# Allegro board PandaX_III_V3.brd (continued)
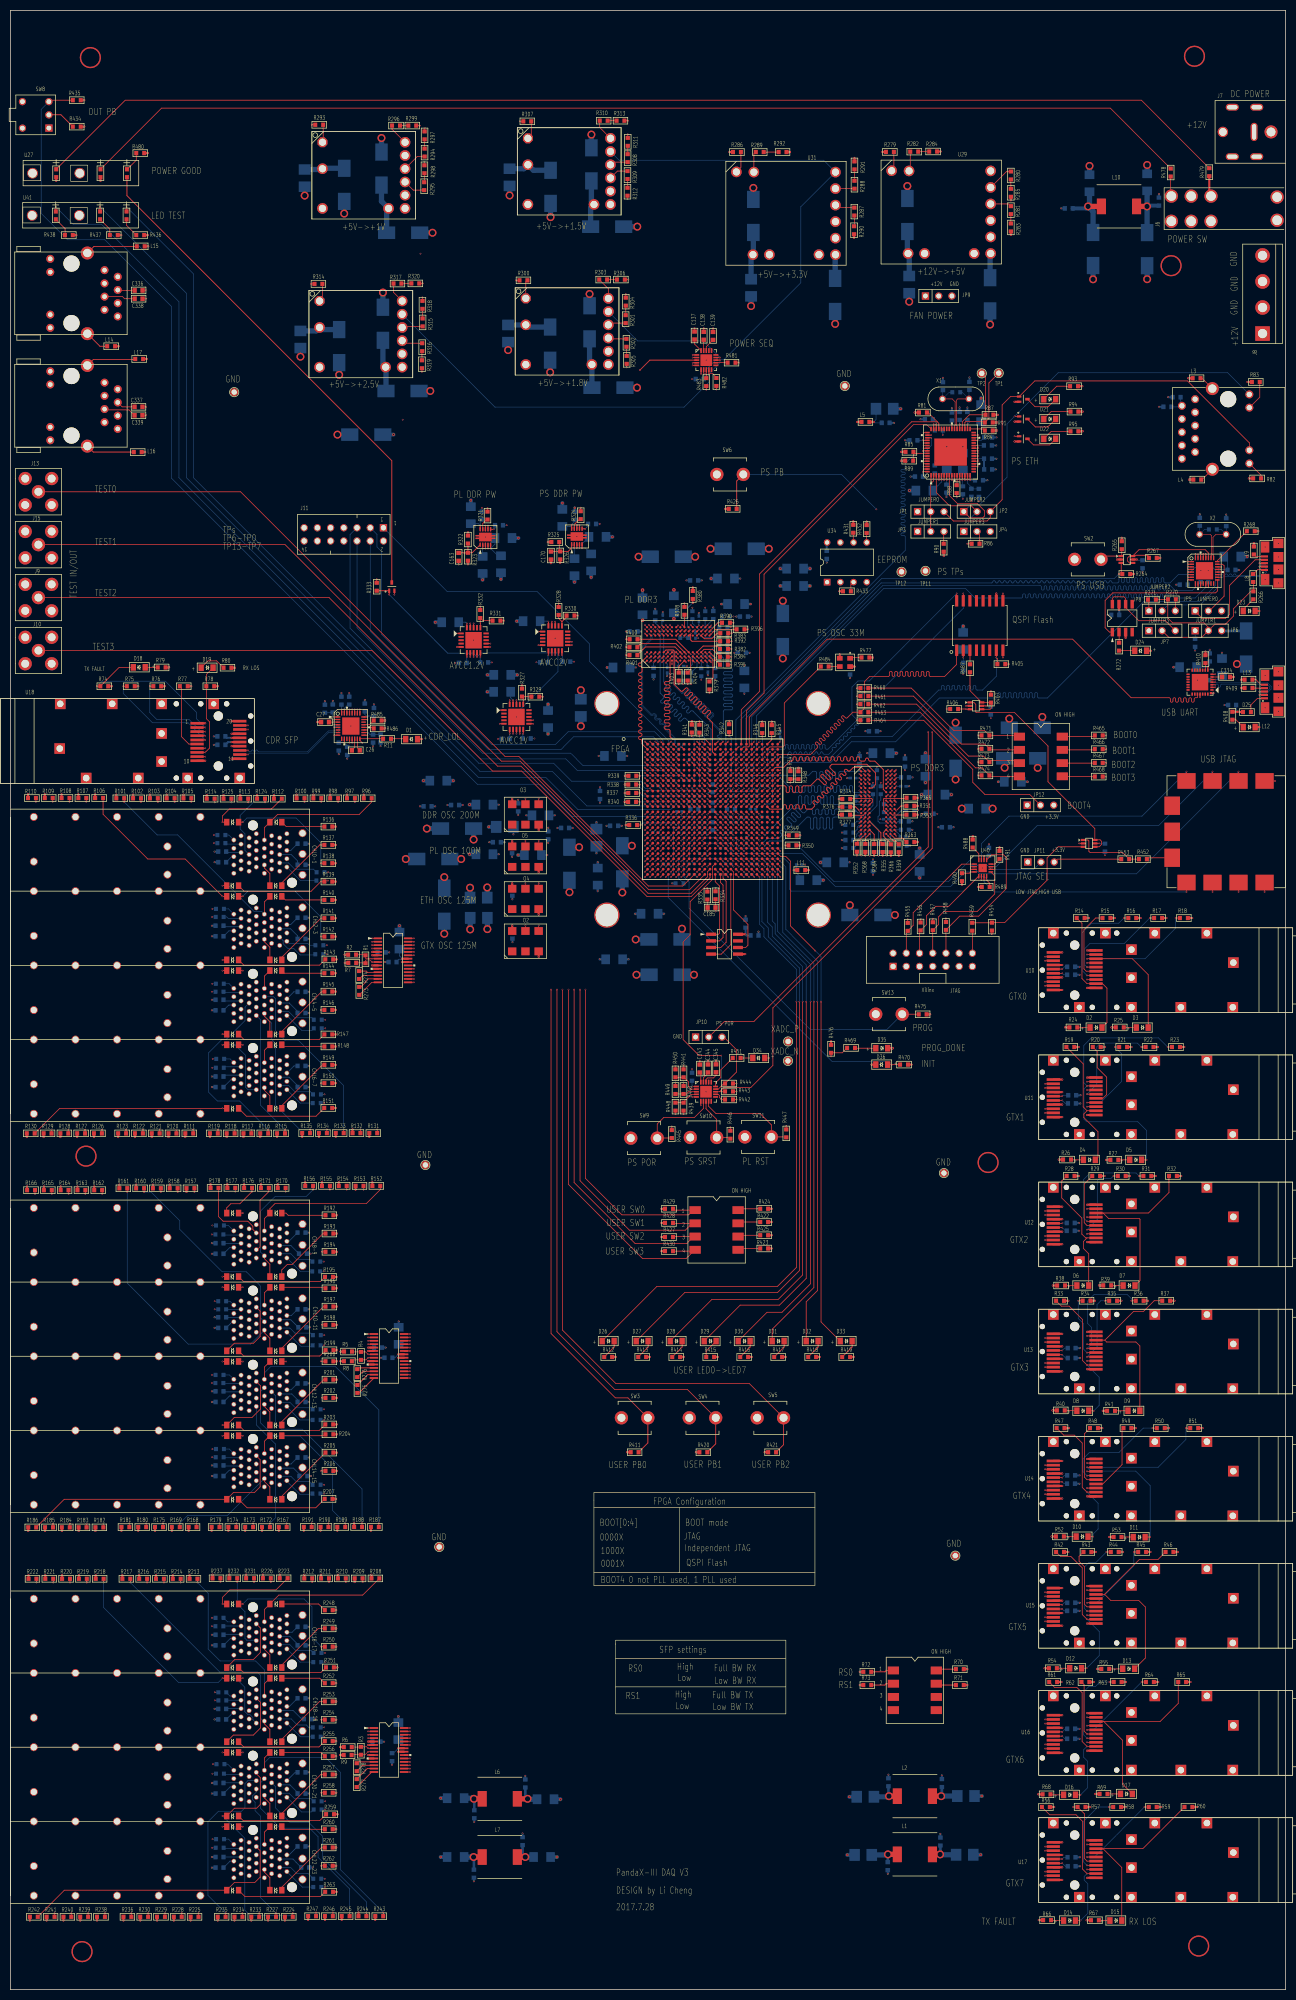
[diagram p0: board, top side]
## Routing (per net, layer and track width the routed paths; a pad name or vN(x,y) marks a point on that pad's centre or on a via; arc(x,y) is an arc through that point) (continued)
N16030430: length 38.1
  TOP w0.127: R183.2 v1(14.63,89.46)
  SIG2 w0.127: v1(14.63,89.46) 20.37,95.2 43.99,95.2 45.11,96.32 45.11,99.36 J4.4L5
N16030458: length 41
  TOP w0.127: R184.2 v1(11.4,89.46)
  SIG1 w0.127: J4.4L4 45.36,99.32 44.91,99.77 43.94,99.77 43.64,99.48 43.64,99.42 43.06,98.83 42.29,98.83 41.12,97.66 19.61,97.66 v1(11.4,89.46)
N16030638: length 37.8
  TOP w0.127: R181.2 v1(22.86,89.51)
  SIG2 w0.127: J4.4T6 49.47,99.04 49.47,98.62 49.51,98.58 49.51,97.82 49.45,97.76 49.45,96.87 49.51,96.81 49.51,90.87 47.37,88.72 23.65,88.72 v1(22.86,89.51)
N16030686: length 29.9
  TOP w0.127: R175.2 v1(29.31,89.51)
  SIG1 w0.127: v1(29.31,89.51) 31.62,91.82 46.79,91.82 49.56,94.59 49.56,96.9 49.26,97.19 49.26,97.55 49.71,97.99 49.71,98.38 49.26,98.83 49.26,99.01 49.56,99.3 49.56,99.88 J4.4T5
N16030694: length 20.8
  TOP w0.127: R168.2 v1(35.76,89.51)
  SIG2 w0.127: J4.4T4 47.97,100.48 47.97,96.73 42.7,91.47 37.82,91.47 35.86,89.51 v1(35.76,89.51)
N16031198: length 38.7
  TOP w0.127: R160.2 v1(25.68,153.14)
  BOTTOM w0.127: J4.2T6 48.08,128.93 48.08,135.05 45.31,137.82 40.69,137.82 32.54,145.97 32.54,147.63 27.03,153.14 v1(25.68,153.14)
N16031306: length 37.7
  TOP w0.127: R158.2 v1(32.13,153.14)
  SIG2 w0.127: v1(32.13,153.14) 34.75,150.52 34.75,140.84 39.85,135.74 47.5,135.74 48.08,135.15 48.08,129.52 48.59,129.02 J4.2T5
N16031322: length 34.5
  TOP w0.127: R159.2 v1(28.91,153.14)
  SIG4 w0.127: J4.2T4 47.98,130.63 47.98,135.15 46.93,136.2 43.08,136.2 36.09,143.18 36.09,145.95 v1(28.91,153.14)
N16031630: length 24.3
  TOP w0.127: R153.2 v1(67.84,153.59)
  SIG1 w0.127: J4.1T5 50.35,143.26 50.9,143.82 50.9,146.56 55.22,150.88 65.13,150.88 v1(67.84,153.59)
N16031646: length 23.3
  TOP w0.127: R154.2 v1(64.62,153.59)
  SIG1 w0.127: v1(64.62,153.59) 63.17,152.15 52.45,152.15 49.25,148.95 49.25,146.23 49.51,145.96 49.51,145.37 49.28,145.13 49.28,144.48 48.86,144.06 J4.1T4
N16032226: length 54.8
  TOP w0.127: R165.2 v1(7.95,152.78)
  SIG4 w0.127: v1(7.95,152.78) 7.95,144.65 19.84,132.77 42.67,132.77 44.11,131.33 44.95,131.33 45.34,130.93 46.31,130.93 47.25,129.99 J4.2L6
N16032274: length 45.8
  TOP w0.127: R163.2 v1(14.4,152.78)
  SIG1 w0.127: J4.2L5 44.59,129.9 44.02,129.9 43.39,130.53 42.24,130.53 41.17,131.6 29.39,131.6 14.4,146.58 v1(14.4,152.78)
N16032282: length 59
  TOP w0.127: R164.2 v1(11.18,152.78)
  SIG1 w0.127: v1(11.18,152.78) 11.18,142.57 26.64,127.1 37.03,127.1 40.23,123.9 46.79,123.9 48.06,125.17 48.06,127.01 J4.2L4
N16032914: length 13.2
  TOP w0.127: R177.2 v1(43.21,153.21)
  SIG2 w0.127: v1(43.21,153.21) 44.7,151.72 45.69,151.72 47.97,149.44 47.97,144.28 47.35,143.67 J4.1L6
N16033014: length 20.3
  TOP w0.127: R170.2 v1(52.88,153.21)
  SIG1 w0.127: J4.1L5 45.03,143.7 45.03,147.14 44.12,148.06 44.12,152.1 45.72,153.7 52.4,153.7 v1(52.88,153.21)
N16033022: length 13
  TOP w0.127: J4.1L4 47.42,142.07 47.97,142.61 47.97,151.52 49.66,153.21 R171.2
N16033206: length 35
  TOP w0.127: R190.2 v1(61.11,89.54)
  SIG4 w0.127: J4.3T6 50.53,113.97 50.9,113.59 50.9,97.02 50.88,96.99 50.88,93.5 52.68,91.7 58.95,91.7 v1(61.11,89.54)
N16033254: length 35.5
  TOP w0.127: R188.2 v1(67.56,89.54)
  BOTTOM w0.127: J4.3T5 50.95,114 50.95,108.74 52.1,107.6 56.08,107.6 67.56,96.11 v1(67.56,89.54)
N16033262: length 36.7
  TOP w0.127: R189.2 v1(64.34,89.54)
  BOTTOM w0.127: v1(64.34,89.54) 61.87,92 61.87,100.08 55.65,106.3 50.57,106.3 48.08,108.79 48.08,114.85 J4.3T4
N16033806: length 8.6
  TOP w0.127: R192.1 53.38,148.67 52.95,149.09 J4.1T21
N16033834: length 12.6
  TOP w0.127: J4.1T23 52.14,138.17 53.21,139.24 54.15,139.24 60.07,145.16 R193.1
N16033882: length 24.1
  TOP w0.127: R194.1 v1(59.84,141.66) ; J4.1L21 v1(44.65,149.09)
  SIG4 w0.127: v1(44.65,149.09) 45.5,149.94 57.68,149.94 59.84,147.78 v1(59.84,141.66)
N16033886: length 17.4
  TOP w0.127: R195.1 59.56,135.94 44.79,135.94 J4.1L23
N16033990: length 8.5
  TOP w0.127: R196.1 60.33,134.84 J4.2T21
N16033998: length 12.2
  TOP w0.127: R197.1 60.15,131.14 52.14,123.13 J4.2T23
N16034006: length 22.8
  TOP w0.127: J4.2L21 v1(44.65,134.84) ; R198.1 v1(59.84,127.64)
  SIG1 w0.127: v1(59.84,127.64) 59.84,131.85 57.86,133.83 49.25,133.83 47.45,135.64 45.45,135.64 v1(44.65,134.84)
N16034014: length 17.6
  TOP w0.127: J4.2L23 44.84,121.64 59.44,121.64 R199.1
N16034110: length 22.5
  TOP w0.127: R155.2 v1(61.39,153.59)
  SIG2 w0.127: v1(61.39,153.59) 59.59,151.79 52.17,151.79 50.98,150.6 50.98,142.7 50.75,142.47 J4.1T6
N16034170: length 32
  TOP w0.127: R174.2 v1(43.41,89.51)
  SIG4 w0.127: v1(43.41,89.51) 44.07,88.85 47.5,88.85 48.08,89.43 48.08,114.33 J4.3L6
N16034270: length 26.5
  TOP w0.127: R173.2 v1(46.63,89.51)
  SIG4 w0.127: v1(46.63,89.51) 45.11,91.03 45.11,113.61 J4.3L5
N16034350: length 27.2
  TOP w0.127: R167.2 v1(53.09,89.51)
  SIG2 w0.127: J4.3L4 47.97,112.85 47.97,108.96 50.9,106.02 50.9,97.02 50.9,97.02 50.9,91.7 v1(53.09,89.51)
N16034518: length 8.4
  TOP w0.127: J4.3T21 v1(52.95,120.59) ; R200.1 v1(59.69,120.63)
  SIG1 w0.127: v1(52.95,120.59) 59.65,120.59 v1(59.69,120.63)
N16034546: length 12.4
  TOP w0.127: J4.3T23 52.14,109.04 60.22,117.12 R201.1
N16034554: length 21.9
  TOP w0.127: J4.3L21 v1(44.65,120.59) ; R202.1 v1(59.84,113.62)
  SIG2 w0.127: v1(44.65,120.59) 44.65,120.62 45.19,121.16 51.61,121.16 52.65,120.12 56.41,120.12 59.84,116.69 v1(59.84,113.62)
N16034562: length 17.6
  TOP w0.127: J4.3L23 44.86,107.37 59.36,107.37 R203.1
N16034574: length 8.5
  TOP w0.127: J4.4T21 60.26,106.34 R204.1
N16034582: length 12.4
  TOP w0.127: R205.1 52.14,94.71 J4.4T23
N16034604: length 22.7
  TOP w0.127: J4.4L21 v1(44.65,106.34) ; R206.1 v1(59.69,99.59)
  SIG1 w0.127: v1(59.69,99.59) 59.69,104.17 56.85,107.01 45.32,107.01 v1(44.65,106.34)
N16034612: length 17.9
  TOP w0.127: R207.1 58.67,92.51 45.47,92.51 J4.4L23
N16042263: length 48.3
  TOP w0.127: R241.2 v1(8.48,14.68)
  SIG2 w0.127: J5.4L6 45.34,25.86 45.03,25.55 45.03,21.13 43.81,19.91 10.92,19.91 8.48,17.48 v1(8.48,14.68)
N16042291: length 38.9
  TOP w0.127: R239.2 v1(14.94,14.68)
  SIG1 w0.127: v1(14.94,14.68) 14.94,16.26 17.86,19.18 43.38,19.18 45.03,20.83 45.03,24.22 J5.4L5
N16042319: length 41.8
  TOP w0.127: R240.2 v1(11.71,14.68)
  SIG4 w0.127: J5.4L4 45.29,24.26 45.03,24 45.03,21.31 43.66,19.94 16.97,19.94 v1(11.71,14.68)
N16042499: length 19.4
  TOP w0.127: R225.2 v1(36.14,14.68)
  SIG1 w0.127: J5.4T6 48.06,23.92 48.06,20.75 42.85,15.55 37.01,15.55 v1(36.14,14.68)
N16042547: length 39.3
  TOP w0.127: R236.2 v1(23.24,14.68)
  SIG1 w0.127: J5.4T5 50.95,24.7 50.95,16.03 48.89,13.97 23.95,13.97 v1(23.24,14.68)
N16042555: length 33.3
  TOP w0.127: R229.2 v1(29.69,14.68)
  SIG4 w0.127: v1(29.69,14.68) 30.51,13.87 45.06,13.87 51.02,19.83 51.02,25.84 50.6,26.26 J5.4T4
N16043059: length 38.3
  TOP w0.127: R216.2 v1(26.26,78.16)
  SIG1 w0.127: J5.2T6 48.06,53.9 48.06,59.51 47.14,60.43 43.1,60.43 33.02,70.51 33.02,72.9 27.76,78.16 v1(26.26,78.16)
N16043167: length 35.1
  TOP w0.127: R214.2 v1(32.72,78.16)
  SIG2 w0.127: J5.2T5 50.32,53.96 50.9,54.54 50.9,58.77 47.93,61.75 43.99,61.75 42.09,63.65 42.09,67.23 32.77,76.56 32.77,78.11 v1(32.72,78.16)
N16043183: length 35.1
  TOP w0.127: R215.2 v1(29.49,78.16)
  SIG2 w0.127: v1(29.49,78.16) 35.41,72.24 35.41,68.45 42.7,61.16 47.8,61.16 48.08,60.88 48.08,55.45 48.77,54.76 J5.2T4
N16043491: length 24.2
  TOP w0.127: R209.2 v1(67.67,78.23)
  SIG2 w0.127: J5.1T5 50.38,68.21 50.9,68.74 50.9,71.94 55.58,76.61 66.04,76.61 v1(67.67,78.23)
N16043507: length 22
  TOP w0.127: R210.2 v1(64.44,78.23)
  SIG1 w0.127: v1(64.44,78.23) 59.59,73.38 51.64,73.38 50.9,72.65 50.9,71.71 50.9,71.7 50.9,69.51 50.4,69.01 J5.1T4
N16044087: length 52.2
  TOP w0.127: R221.2 v1(8.23,78.16)
  SIG2 w0.127: J5.2L6 45.29,54.36 45.03,54.61 45.03,57.79 40.21,62.61 22.53,62.61 8.23,76.91 v1(8.23,78.16)
N16044135: length 51.4
  TOP w0.127: R219.2 v1(14.68,78.16)
  SIG3 w0.127: v1(14.68,78.16) 16.84,76 16.84,60.12 20.47,56.49 41.4,56.49 42.27,55.63 43.18,55.63 43.99,54.81 44.65,54.81 45.87,53.6 J5.2L5
N16044143: length 59.5
  TOP w0.127: R220.2 v1(11.46,78.16)
  SIG4 w0.127: J5.2L4 47.97,52.04 47.97,49.69 47.4,49.12 37.62,49.12 34.06,52.68 25.65,52.68 11.46,66.88 v1(11.46,78.16)
N16044775: length 14.3
  TOP w0.127: R237.2 v1(40.36,78.26)
  SIG4 w0.127: J5.1L6 45.46,68.61 45.06,69.01 45.06,72.06 40.36,76.76 v1(40.36,78.26)
N16044875: length 12.2
  TOP w0.127: R231.2 v1(46.81,78.26)
  SIG3 w0.127: J5.1L5 45.81,67.81 45.11,68.5 45.11,76.56 v1(46.81,78.26)
N16044883: length 14.5
  TOP w0.127: R232.2 v1(43.59,78.26)
  BOTTOM w0.127: J5.1L4 47.18,67.08 45.42,67.08 45.06,67.44 45.06,72.57 43.59,74.04 v1(43.59,78.26)
N16045067: length 34.6
  TOP w0.127: R246.2 v1(61.95,14.81)
  SIG2 w0.127: v1(61.95,14.81) 61.26,15.5 55.83,15.5 51.02,20.3 51.02,38.67 50.78,38.91 J5.3T6
N16045115: length 35.3
  TOP w0.127: R244.2 v1(68.4,14.81)
  BOTTOM w0.127: v1(68.4,14.81) 68.4,16.84 59.99,25.25 59.99,29.44 57.3,32.13 53.7,32.13 50.9,34.92 50.9,38.99 J5.3T5
N16045123: length 37.1
  TOP w0.127: R245.2 v1(65.18,14.81)
  BOTTOM w0.127: v1(65.18,14.81) 65.18,19.33 59.11,25.4 59.11,29.36 57.48,30.99 51.89,30.99 48.03,34.85 48.03,39.68 48.8,40.44 J5.3T4
N16045667: length 8.8
  TOP w0.127: R248.1 59.21,74.03 J5.1T21
N16045695: length 11.6
  TOP w0.127: J5.1T23 52.14,62.3 59.18,69.34 R249.1
N16045743: length 24.2
  TOP w0.127: R250.1 v1(59.72,65.84) ; J5.1L21 v1(44.65,74.03)
  BOTTOM w0.127: v1(59.72,65.84) 57.94,67.62 57.94,73.48 56.41,75.01 45.62,75.01 v1(44.65,74.03)
N16045747: length 17.6
  TOP w0.127: R251.1 59.64,60.86 44.81,60.86 J5.1L23
N16045851: length 8.7
  TOP w0.127: J5.2T21 59.44,59.79 R252.1
N16045859: length 11.7
  TOP w0.127: J5.2T23 52.14,48.05 59.41,55.32 R253.1
N16045867: length 22.9
  TOP w0.127: R254.1 v1(59.72,51.82) ; J5.2L21 v1(44.65,59.79)
  SIG3 w0.127: v1(44.65,59.79) 45.37,60.5 55.17,60.5 59.72,55.96 v1(59.72,51.82)
N16045875: length 17.4
  TOP w0.127: J5.2L23 44.84,46.58 59.28,46.58 R255.1
N16045971: length 22.5
  TOP w0.127: R211.2 v1(61.21,78.23)
  SIG1 w0.127: J5.1T6 48.01,68.2 48.01,73.84 50.6,76.43 59.41,76.43 v1(61.21,78.23)
N16046031: length 34.9
  TOP w0.127: R235.2 v1(41.35,14.68)
  BOTTOM w0.127: v1(41.35,14.68) 37.95,18.09 37.95,32.21 39.98,34.24 44.4,34.24 45.06,34.9 45.06,39.56 45.61,40.11 J5.3L6
N16046131: length 31.5
  TOP w0.127: R234.2 v1(44.58,14.68)
  SIG3 w0.127: J5.3L5 45.87,39.04 45.03,38.2 45.03,36.21 43.44,34.62 41.3,34.62 39.34,32.67 39.34,19.91 v1(44.58,14.68)
N16046211: length 26.7
  TOP w0.127: R227.2 v1(51.03,14.68)
  BOTTOM w0.127: J5.3L4 47.25,37.92 46.53,37.21 46.53,36.46 47.02,35.98 47.02,34.34 48.08,33.28 48.08,17.63 v1(51.03,14.68)
N16046379: length 8.6
  TOP w0.127: R256.1 59.67,45.53 J5.3T21
N16046407: length 11.8
  TOP w0.127: J5.3T23 52.14,33.8 59.64,41.3 R257.1
N16046415: length 23.7
  TOP w0.127: J5.3L21 v1(44.65,45.53) ; R258.1 v1(59.72,37.8)
  SIG2 w0.127: v1(59.72,37.8) 59.72,43.44 56.87,46.28 45.4,46.28 v1(44.65,45.53)
N16046423: length 17.7
  TOP w0.127: J5.3L23 44.74,32.43 59.43,32.43 R259.1
N16046435: length 8.5
  TOP w0.127: R260.1 52.64,30.79 J5.4T21
N16046443: length 12
  TOP w0.127: R261.1 59.77,27.28 52.14,19.65 J5.4T23
N16046465: length 23.5
  TOP w0.127: J5.4L21 v1(44.65,31.28) ; R262.1 v1(59.72,23.78)
  SIG1 w0.127: v1(59.72,23.78) 59.72,28.96 57.99,30.68 52.35,30.68 50.8,32.23 45.57,32.23 44.65,31.32 v1(44.65,31.28)
N16046473: length 17.5
  TOP w0.127: J5.4L23 45.04,17.88 59.59,17.88 R263.1
N16134080: length 5.5
  TOP w0.127: SW2.2 210.18,275.23 U7.1 213.54,275.34 R265.1
N16134320: length 2.2
  TOP w0.127: J2.5 239.29,275.16 L9.1
N16134430: length 3
  TOP w0.127: D23.1 236.88,265 R266.2
N16134484: length 21.9
  TOP w0.127: J2.4 239.16,274.51 234.26,269.62 234.26,264.08 233.45,263.27 228.98,263.27 227.63,264.62 JP5.1
N16134532: length 2.5
  TOP w0.127: L8.1 238.81,271.78 239.65,272.62 240.91,272.62 J2.1
N16135004: length 8.2
  TOP w0.127: R268.2 231.89,274.33 U8.24
N16135048: length 31.5
  TOP w0.127: U9.1 211.16,260.64 210.34,261.47 210.34,266.7 211.81,268.17 231.57,268.17 231.95,268.56 231.95,270.6 U8.17
N16135154: length 2.1
  TOP w0.127: R272.1 213.03,260.62 U9.2
N16135158: length 3
  TOP w0.127: D24.2 216,257.07 R272.2
N16135206: length 17
  TOP w0.127: U9.8 211.73,267.11 212.04,267.41 213.94,267.41 214.27,267.08 U9.6 214.27,265.35 216.81,262.81 221.92,262.81 JP7.3
N16135720: length 2.2
  TOP w0.127: R271.2 218.74,266.7 JP8.1
N16135724: length 2.3
  TOP w0.127: R270.2 223.82,266.83 JP8.3
N16135742: length 17.5
  TOP w0.127: U8.22 v1(232.63,273.17)
  BOTTOM w0.127: v1(232.63,273.17) 232.54,273.08 232.45,273.08 232.21,272.84 232.21,269.47 228.6,265.86 222.43,265.86 JP8.2
N16135804: length 1.6
  BOTTOM w0.127: C121.1 JP6.1
N16135812: length 4.7
  BOTTOM w0.508: JP6.3 232.77,260.86 C122.1
N16719863: length 3.1
  TOP w0.127: J1.16 228.96,309.37 L3.2
N16719907: length 3
  TOP w0.127: J1.15 228.96,289.92 L4.2
N16720063: length 14.6
  TOP w0.127: TP2.1 187.35,309.6 R87.2 184.25,302.36 182.9,301.01 U6.36
N16720067: length 15.8
  TOP w0.127: U6.35 183.4,300.88 183.6,301.09 187.02,301.09 R91.2 188.01,301.68 188.01,308.48 TP1.1
N16720381: length 3.8
  TOP w0.127: R82.2 240.31,290.75 J1.11
N16720399: length 5.8
  TOP w0.127: J1.13 240.06,305.74 R83.2
N16720575: length 3
  TOP w0.127: U6.33 186.91,299.65 R84.2
N16720879: length 4.5
  TOP w0.127: R89.2 173.51,293.6 R85.1 173.81,294.95 U6.57
N16721273: length 2.4
  TOP w0.127: R90.2 179.32,279.91 JP3.3
N16721539: length 2.6
  TOP w0.127: JP4.2 186.21,279.48 R86.1
N16721683: length 1.9
  TOP w0.127: U6.11 181.89,288.93 R88.2
N16778273: length 3.8
  TOP w0.152: D31.2 148.66,123.37 R417.1
N16778439: length 3.8
  TOP w0.152: R418.1 155.19,123.37 D32.2
N16778607: length 3.8
  TOP w0.152: R419.1 161.72,123.37 D33.2
N16782382: length 4.8
  TOP w0.152: DU1.SH2 17.2,315.52 L14.2
N16782384: length 10
  TOP w0.152: DU1.SH1 16.06,334.7 L15.2
N16782458: length 3.3
  TOP w0.127: DU1.4 20.71,326.24 C336.2
N16782480: length 6
  TOP w0.127: C338.2 21.95,324.64 21.54,325.04 18.09,325.04 DU1.5
N16783212: length 3.6
  TOP w0.127: DU2.4 21.47,303.89 C337.2
N16783234: length 6.3
  TOP w0.127: DU2.5 18.24,303.3 22.78,303.3 23.83,302.26 C339.2
N16788262: length 6.3
  TOP w0.127: SW12.8 208.13,240.56 R465.1
N16788273: length 6.3
  TOP w0.127: SW12.7 208.22,238.02 R466.1
N16788278: length 6.3
  TOP w0.127: R467.1 208.31,235.48 SW12.6
N16788283: length 6.3
  TOP w0.127: SW12.5 208.31,232.94 R468.1
N16792378: length 4.5
  TOP w0.127: J14.1 239.62,247.93 238.35,246.66 L12.1
N16794074: length 9.4
  TOP w0.152: DU2.SH2 15.93,295.2 L16.2
N16794077: length 9.7
  TOP w0.152: DU2.SH1 15.93,312.98 23.88,312.98 L17.2
N16804697: length 5.6
  TOP w0.152: R434.1 9.7,359.97 7.42,359.97 SW8.2
N16805801: length 3.8
  TOP w0.127: U41.8 22.31,338.72 R436.1
N16805806: length 3.8
  TOP w0.127: R437.1 19.1,338.01 U41.6
N16805811: length 3.8
  TOP w0.127: U41.4 10.5,338.1 10.5,336.89 R438.1
N16844319: length 2.9
  TOP w0.127: D1.2 75.87,240.16 R11.1
N16844562: length 1.7
  TOP w0.127: U4.3 62.94,243.36 C27.2
N16844628: length 2.4
  TOP w0.127: C26.1 66.15,238.49 U4.14
N16844634: length 2.4
  TOP w0.127: U4.15 66.65,238.43 C26.2
N16922650: length 2.7
  TOP w0.127: U37.3 184.38,257.13 R487.2
N16936828: length 4
  TOP w0.127: R469.1 162.33,180.75 D35.1
N17167219: length 4.6
  TOP w0.127: U2.14 69.44,193.39 R273.2
N17167228: length 4.3
  TOP w0.127: R273.1 67.36,192.51 68.17,193.32 68.17,193.47 68.76,194.06 70.59,194.06 U2.13
N17167231: length 3.9
  TOP w0.127: R274.2 67.66,194.69 U2.12
N17167236: length 3.8
  TOP w0.127: U2.11 70.52,195.25 68.68,195.25 68.38,195.56 R274.1
N17167273: length 4.4
  TOP w0.152: U3.14 66.98,114.56 R275.2
N17167289: length 4
  TOP w0.152: U3.13 68.66,118.07 R275.1
N17167292: length 3.7
  TOP w0.152: U3.12 67.76,118.72 R276.2
N17167295: length 3.3
  TOP w0.152: U3.11 66.89,119.37 R276.1
N17167332: length 4.5
  TOP w0.152: R277.2 69.44,41.78 U19.14
N17167337: length 4.1
  TOP w0.152: U19.13 68.56,42.43 R277.1
N17167349: length 3.4
  TOP w0.152: U19.11 66.81,43.72 R278.2
N17167352: length 3.8
  TOP w0.152: U19.12 67.69,43.07 R278.1
N17192210: length 19.8
  TOP w0.127: U18.4 v1(37.44,240.74) ; R76.1 v1(26.77,250.24)
  BOTTOM w0.127: v1(26.77,250.24) 26.77,245.21 28.09,243.89 34.29,243.89 v1(37.44,240.74)
N17192241: length 2.4
  TOP w0.127: D18.1 25.93,253.85 R79.1
N17192271: length 5.4
  TOP w0.127: D19.1 37.97,255.12 39.62,255.12 R80.1
N17192432: length 23.1
  TOP w0.127: R75.1 v1(21.68,250.24) ; U18.5 v1(37.44,239.93)
  BOTTOM w0.127: v1(37.44,239.93) 34.14,243.23 27.3,243.23 21.68,248.86 v1(21.68,250.24)
N17249657: length 6.8
  BOTTOM w0.127: J3.1T12 55.71,212.93 R492.1
N17249666: length 7.8
  BOTTOM w0.127: R493.1 58.24,215.11 54.64,215.11 53.43,216.32 51.74,216.32
N17250205: length 2
  BOTTOM w0.127: R494.1 41.98,221.67 J3.1L12
N17250214: length 3.1
  BOTTOM w0.127: J3.1L13 41.5,219.92 R495.1
N17250581: length 5.8
  BOTTOM w0.127: J3.2T12 53.58,200.81 57.18,200.81 57.48,200.51 R496.1
N17250594: length 8.7
  BOTTOM w0.127: 51.74,202.07 52.4,201.41 52.4,200.81 53.31,199.9 54.43,199.9 55.68,198.65 58.45,198.65 R497.1
N17250855: length 2.3
  BOTTOM w0.127: J3.2L12 41.91,207.49 R498.1
N17250864: length 3.5
  BOTTOM w0.127: J3.2L13 41.85,205.67 41.58,205.94 R499.1
N17251133: length 6.5
  BOTTOM w0.127: R500.1 57.89,184.15 55.99,184.15 J3.3T12
N17251142: length 7.2
  BOTTOM w0.127: R501.1 57.91,186.59 54.66,186.59 53.43,187.82 51.74,187.82
N17251513: length 2.3
  BOTTOM w0.127: J3.3L12 42.03,193.12 R502.1
N17251522: length 3.4
  BOTTOM w0.127: R503.1 41.12,191.42 J3.3L13
N17251836: length 6
  BOTTOM w0.127: J3.4T12 55.68,170.21 R504.1
N17251845: length 7.1
  BOTTOM w0.127: 51.74,173.57 53.48,173.57 54.66,172.39 57.63,172.39 R505.1
N17252106: length 2.2
  BOTTOM w0.127: J3.4L12 42.21,178.69 R506.1
N17252115: length 3.4
  BOTTOM w0.127: J3.4L13 41.18,177.17 R507.1
N17252376: length 5.9
  BOTTOM w0.127: J4.1T12 55.69,137.9 R508.1
N17252385: length 6.9
  BOTTOM w0.127: 51.74,141.27 53.88,141.27 54.94,140.21 57.58,140.21 R509.1
N17252646: length 2.3
  BOTTOM w0.127: R510.1 41.88,146.71 J4.1L12
N17252655: length 3.4
  BOTTOM w0.127: J4.1L13 41.04,144.86 R511.1
N17252916: length 6.1
  BOTTOM w0.127: R512.1 57.89,123.52 55.81,123.52 J4.2T12
N17252925: length 6.9
  BOTTOM w0.127: 51.74,127.02 53.71,127.02 54.69,126.04 57.73,126.04 R513.1
N17253570: length 1.8
  BOTTOM w0.127: R514.1 42.19,132.16 J4.2L12
N17253579: length 2.9
  BOTTOM w0.127: J4.2L13 44.31,130.61 R515.1
N17253808: length 2.3
  BOTTOM w0.127: R518.1 42.09,118.01 J4.3L12
N17253817: length 3.4
  BOTTOM w0.127: J4.3L13 41.01,116.37 R519.1
N17254046: length 6.1
  BOTTOM w0.127: J4.4T12 53.12,97.61 55.63,95.1 57.91,95.1 R520.1
N17254055: length 7
  BOTTOM w0.127: R521.1 57.43,97.56 54.89,97.56 53.9,98.55 51.78,98.55 51.74,98.52
N17254284: length 6.1
  BOTTOM w0.127: J4.3T12 53.12,111.88 55.63,109.37 R516.1
N17254293: length 6.9
  BOTTOM w0.127: R517.1 57.76,111.71 54.74,111.71 53.68,112.77 51.74,112.77
N17254522: length 2.3
  BOTTOM w0.127: J4.4L12 42.06,103.79 R522.1
N17254531: length 3.4
  BOTTOM w0.127: R523.1 41.06,102.12 J4.4L13
N17254760: length 6.1
  BOTTOM w0.127: J5.1T12 55.66,62.87 R524.1
N17254769: length 7.2
  BOTTOM w0.127: R525.1 57.78,65.1 54.81,65.1 53.71,66.21 51.74,66.21
N17254998: length 7
  BOTTOM w0.127: 51.74,51.96 53.96,51.96 55.12,50.8 56.87,50.8 57.33,50.34 R527.1
N17255007: length 6.1
  BOTTOM w0.127: J5.2T12 55.74,48.54 R526.1
N17255236: length 1.7
  BOTTOM w0.127: R530.1 42.19,56.36 J5.2L12
N17255245: length 2.9
  BOTTOM w0.127: R531.1 41.51,55.56 J5.2L13
N17255474: length 2.3
  BOTTOM w0.127: R528.1 41.71,70.61 J5.1L12
N17255483: length 3.4
  BOTTOM w0.127: J5.1L13 40.98,69.81 R529.1
N17255712: length 2.3
  BOTTOM w0.127: R534.1 41.75,43.28 J5.3L12
N17255721: length 3.4
  BOTTOM w0.127: J5.3L13 41.17,41.31 R535.1
N17255950: length 6.3
  BOTTOM w0.127: R536.1 56.09,19.69 J5.4T12
N17255959: length 7.4
  BOTTOM w0.127: 51.74,23.46 53.84,23.46 54.99,22.3 57.18,22.3 R537.1
N17256188: length 6.5
  BOTTOM w0.127: J5.3T12 55.92,34.11 57.81,34.11 R532.1
N17256197: length 7.2
  BOTTOM w0.127: R533.1 57.76,36.65 54.58,36.65 53.53,37.71 51.74,37.71
N17256426: length 2.3
  BOTTOM w0.127: J5.4L12 41.91,28.88 R538.1
N17256435: length 3.4
  BOTTOM w0.127: R539.1 41.14,27.06 J5.4L13
N153616730: length 5
  TOP w0.127: U39.11 218.62,217.3 R452.2
N167219250: length 6.1
  TOP w0.127: R93.1 201.04,307.85 198.55,305.36
N167219251: length 6.6
  TOP w0.127: Q1.3 196.86,303.91 199.39,303.91 D20.2
N167220110: length 5.7
  TOP w0.127: 198.55,301.55 199.97,302.97 R94.1
N167220111: length 6.7
  TOP w0.127: D21.2 199.31,300.03 196.94,300.03 Q2.3
N167220970: length 5.7
  TOP w0.127: R95.1 200,299.19 198.55,297.74
N167220971: length 6.4
  TOP w0.127: D22.2 199.67,296.57 196.58,296.57 Q3.3
N1536150713: length 4.3
  TOP w0.127: R459.2 184.84,203.28 J12.14

## Copper pours and planes (outline as drawn; the poured copper is in the pictures)
AVCC1V on PWR4: 89.97,212.9 89.97,251 104.7,251 104.7,226.11 129.59,226.11 129.59,212.9
AVCC1V2 on PWR2: 108.25,211.89 108.25,241.35 100.63,241.35 100.63,242.88 93.01,242.88 93.01,259.13 85.39,259.13 85.39,267.77 98.6,267.77 98.6,246.94 111.3,246.94 111.3,222.05 121.97,222.05 121.97,224.08 127.56,224.08 127.56,219 128.57,219 128.57,211.89
AVCC2V on PWR4: 130.1,212.9 130.1,226.62 105.21,226.62 105.21,251.51 89.97,251.51 89.97,267.77 113.33,267.77 113.33,235.26 132.13,235.26 132.13,212.9
GND on GND1, GND2, GND3: 1.07,379.02 1.07,1.07 243.89,1.07 243.89,379.02
GND on GND4: 243.89,1.07 243.89,379.02 1.07,379.02 1.07,1.07
VCC1V on PWR1: 56.95,215.95 56.95,378.51 80.82,378.51 80.82,228.65 131.11,228.65 131.11,230.68 140.77,230.68 140.77,215.95
VCC1V5 on PWR1: 1.57,1.58 1.57,378.51 56.44,378.51 56.44,215.44 141.27,215.44 141.27,231.19 130.61,231.19 130.61,229.16 81.33,229.16 81.33,378.51 162.1,378.51 162.1,317.04 243.38,317.04 243.38,1.58
VCC1V8 on PWR3: 66.6,48.82 66.6,211.89 148.89,211.89 148.89,220.52 82.35,220.52 82.35,314.5 103.68,314.5 103.68,325.68 121.97,325.68 121.97,305.87 198.68,305.87 198.68,259.64 220.01,259.64 220.01,311.96 243.38,311.96 243.38,209.86 188.52,209.86 188.52,48.82
VCC2V5 on PWR3: 66.6,212.4 66.6,325.17 81.84,325.17 81.84,220.02 148.39,220.02 148.39,212.4
VCC3V3 on PWR2: 1.32,1.32 1.32,378.77 243.64,378.77 243.64,1.32 ; 3 cut-outs
VCC5V on PWR3: 199.19,260.15 199.19,306.38 122.48,306.38 122.48,326.19 103.17,326.19 103.17,315.01 82.35,315.01 82.35,325.68 66.09,325.68 66.09,315.01 1.57,315.01 1.57,378.51 219.51,378.51 219.51,260.15
VCCPLL on PWR4: 132.64,212.9 132.64,235.26 152.96,235.26 152.96,212.9
CONNECTOR_INPUT+12V on PWR1: 243.38,378.51 243.38,320.6 229.16,320.6 229.16,378.51
DDR_VREF75V on PWR2: 142.29,223.57 142.29,232.72 149.91,232.72 149.91,244.4 135.18,244.4 135.18,277.42 110.29,277.42 110.29,281.48 147.88,281.48 147.88,252.02 170.74,252.02 170.74,223.57
DDR_VTT75V on PWR4: 153.47,212.9 153.47,275.9 97.08,275.9 97.08,287.07 175.82,287.07 175.82,212.9
ETH_AVCC1V8_FILTER on PWR4: 158.04,308.41 158.04,288.6 201.73,288.6 201.73,308.41
ETH_DVDD on PWR2: 173.28,301.8 173.28,288.6 188.52,288.6 188.52,301.8
FEC_VCCR on PWR4: 1.57,1.58 1.57,378.51 202.74,378.51 202.74,309.93 156.51,309.93 156.51,288.6 88.44,288.6 88.44,211.38 141.78,211.38 141.78,1.58
FEC_VCCT on PWR3: 1.57,1.58 1.57,314.5 66.09,314.5 66.09,48.31 141.78,48.31 141.78,1.58
INPUT_POWER+12V on PWR1: 166.17,378.51 166.17,320.6 212.39,320.6 212.39,378.51
PL_DDR_VREF75V on PWR2: 121.46,232.21 121.46,268.28 92.51,268.28 92.51,281.48 106.73,281.48 106.73,279.45 109.78,279.45 109.78,276.91 134.67,276.91 134.67,232.21
PL_DDR_VTT75V on PWR4: 113.84,235.76 113.84,268.28 89.97,268.28 89.97,287.07 96.57,287.07 96.57,275.39 152.96,275.39 152.96,235.76
SFP_VCCR on PWR4: 142.29,1.58 142.29,211.38 177.34,211.38 177.34,287.07 203.25,287.07 203.25,378.51 243.38,378.51 243.38,1.58 ; 1 cut-out
SFP_VCCT on PWR3: 142.29,1.58 142.29,48.31 189.03,48.31 189.03,209.35 243.38,209.35 243.38,1.58
SWITCH_OUT+12V on PWR1: 212.9,378.51 212.9,320.6 228.65,320.6 228.65,378.51
UART_USB_VBUS_5V on PWR4: 228.65,254.56 228.65,244.4 236.78,244.4 236.78,254.56
N15326704 on PWR3: 243.38,378.51 243.38,312.47 220.01,312.47 220.01,378.51

## Text on the board
Ref Des/Silkscreen Top: TX FAULT | RX LOS | GND | 1 | 2 | 3 | 4 | PS POR | ON HIGH | JUMPER1 | JUMPER0 | +12V | JUMPER3 | JUMPER2 | LOW JTAG,HIGH USB | +3.3V | OUT PB | TEST3 | TEST0 | TEST1 | TEST2 | LED TEST | POWER GOOD | TPs | TP6-TP0 | TP13-TP7 | CDR SFP | +5V->+2.5V | +5V->+1V | ETH OSC 125M | GTX OSC 125M | DDR OSC 200M | CDR_LOL | PL OSC 100M | AVCC1.2V | PL DDR PW | AVCC1V | +5V->+1.5V | +5V->+1.8V | PS DDR PW | AVCC2V | BOOT[0:4] | 0000X | 1000X | BOOT4 0 not PLL used, 1 PLL used | 0001X | USER SW3 | USER SW2 | USER SW0 | USER SW1 | USER PB0 | FPGA | PandaX-III DAQ V3 | DESIGN by Li Cheng | 2017.7.28 | PL DDR3 | RS1 | RS0 | FPGA Configuration | SFP settings | USER LED0->LED7 | High | Low | USER PB1 | JTAG | PS SRST | Independent JTAG | BOOT mode | QSPI Flash | Full BW TX | Low BW TX | Full BW RX | Low BW RX | POWER SEQ | PL RST | USER PB2 | +5V->+3.3V | PS PB | XADC_N | XADC_P | PS OSC 33M | EEPROM | FAN POWER | PS DDR3 | PROG | +12V->+5V | INIT | PROG_DONE | PS TPs | GTX7 | GTX6 | GTX1 | GTX5 | GTX0 | GTX2 | GTX3 | PS ETH | GTX4 | JTAG SEL | BOOT4 | PS USB | BOOT3 | BOOT2 | BOOT1 | BOOT0 | USB UART | POWER SW | USB JTAG | DC POWER | TEST IN/OUT
DISPLAY_TOP: FIGURE | SIZE | 8.0 | 10.0 | 12.0 | 25.598 | 32.0 | 35.0 | 36.0 | 40.0 | 47.201 | 50.0 | 55.0 | 59.098 | 60.0 | 63.0 | 66.0 | 66.902 | 70.0 | 73.0 | 140.0 | 170.0 | 78.701 | 128.0 | 78.701x31.5 | 118.098x31.5 | DRILL CHART: TOP to BOTTOM | ALL UNITS ARE IN MILS | TOLERANCE | +0.0/-0.0 | +3.0/-8.0 | +3.0/-10.0 | +3.0/-3.0 | PLATED | NON-PLATED | QTY | 2209 | 9 | 53 | 4 | 480 | 12 | 24 | 41 | 10 | 28 | 74 | 16 | 147 | 90 | 58 | 1 | 38 | 6 | 3 | 8 | 7 | 81 | 18
